# KiCad board Pravetz8A-patched.kicad_pcb (continued)
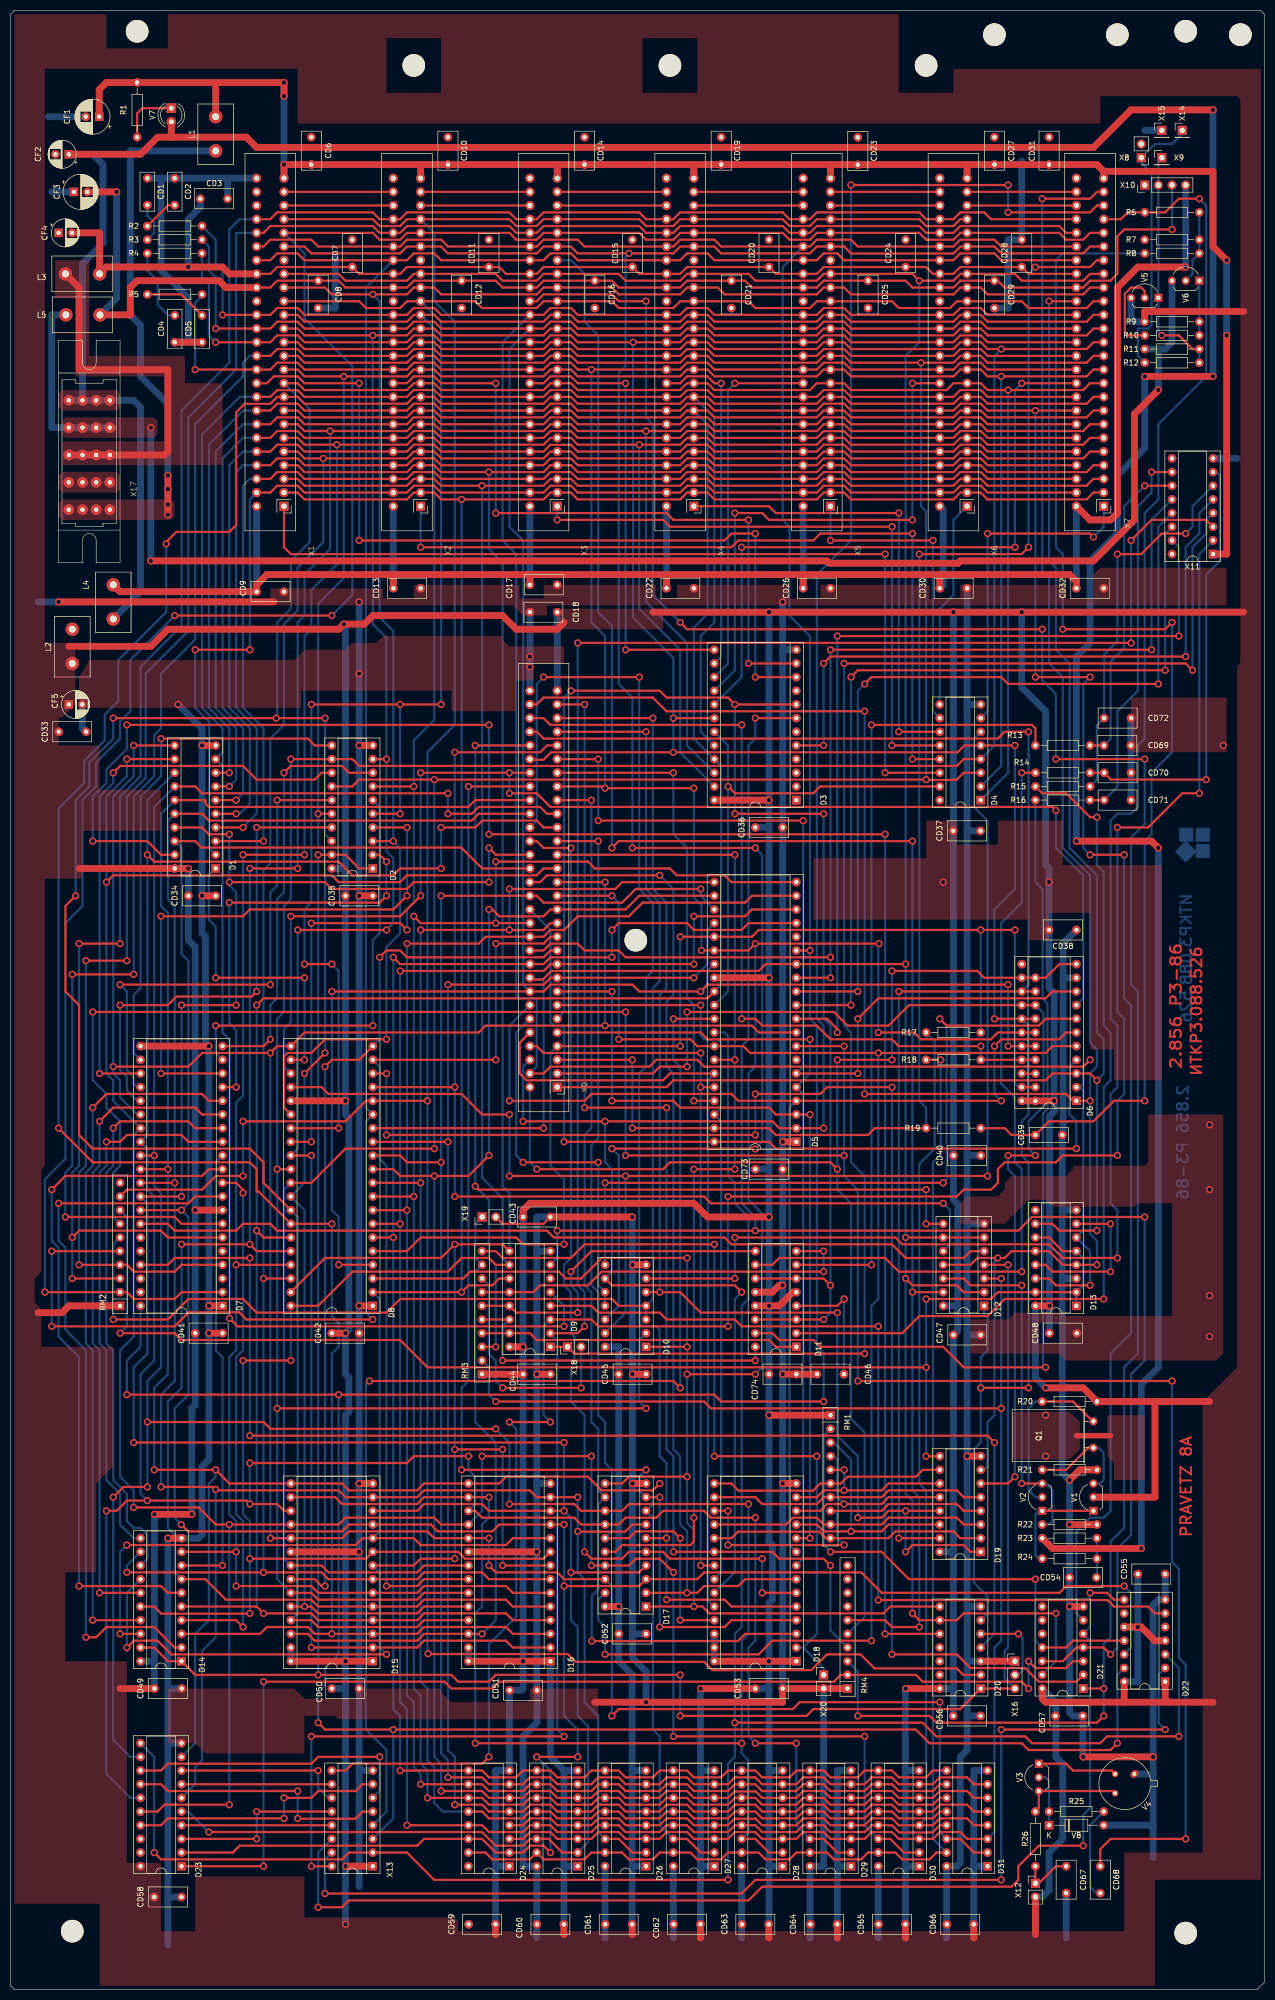
[diagram p0: board, top side]
## Routing (per net, layer and track width the routed paths; a pad name or vN(x,y) marks a point on that pad's centre or on a via; arc(x,y) is an arc through that point) (continued)
/RAM/~{RAS}: length 246.5
  Top w0.406: D24.4 95.25,30.48 96.52,31.75 100.33,31.75 101.6,30.48 107.95,30.48 109.22,31.75 113.03,31.75 114.3,30.48 120.65,30.48 121.92,31.75 125.73,31.75 127,30.48 133.35,30.48 134.55,31.68 138.36,31.68 138.43,31.75 139.7,30.48 146.05,30.48 147.32,31.75 151.13,31.75 152.4,30.48 158.75,30.48 160.02,31.75 163.83,31.75 165.1,30.48 171.45,30.48 172.72,31.75 177.8,31.75 179.07,30.48 D31.4
  Bottom w0.406: R17.2 171.77,176.21 171.77,156.21 168.91,153.35 168.91,93.98 170.18,92.71 170.18,31.75 D30.4
A0: length 480.4
  Top w0.406: D9.11 90.8,132.08 89.53,130.81 85.09,130.81 v1(83.82,129.54) D8.2 ; 24.13,66.04 v1(20.32,66.04) ; D16.10 93.34,83.82 92.08,82.55 76.2,82.55 74.93,83.82 D15.10 65.41,83.82 64.13,82.55 v1(21.59,82.55) ; X7.2 201.3,278.13 200.03,276.86 181.61,276.86 180.34,278.13 176.53,278.13 175.26,276.86 156.21,276.86 154.94,278.13 151.13,278.13 149.86,276.86 130.81,276.86 129.54,278.13 125.73,278.13 124.46,276.86 105.41,276.86 104.14,278.13 100.33,278.13 99.06,276.86 v1(83.82,276.86) 80.01,276.86 78.74,278.13 74.93,278.13 73.66,276.86 54.61,276.86 53.34,278.13 X1.2
  Bottom w0.406: D8.2 68.58,128.27 68.58,85.09 D15.10 ; v1(20.32,66.04) 20.32,81.28 v1(21.59,82.55) ; v1(83.82,276.86) v1(83.82,129.54)
A1: length 495.4
  Top w0.406: 50.8,280.67 53.34,280.67 54.61,279.4 73.66,279.4 74.93,280.67 78.74,280.67 80.01,279.4 v1(87.63,279.4) 99.06,279.4 100.33,280.67 104.14,280.67 105.41,279.4 124.46,279.4 125.73,280.67 129.54,280.67 130.81,279.4 149.86,279.4 151.13,280.67 154.94,280.67 156.21,279.4 175.26,279.4 176.53,280.67 180.34,280.67 181.61,279.4 200.03,279.4 201.3,280.67 X7.3 ; v1(44.45,69.85) 44.38,69.78 28.01,69.78 26.67,71.12 24.13,71.12 ; 52.07,127 57.15,127 63.5,133.35 81.28,133.35 83.82,135.89 88.9,135.89 90.17,134.62 D9.10 ; D16.9 99.06,80.01 84.45,80.01 83.19,81.28 D15.9 66.04,80.01 v1(44.45,80.01) ; v1(52.07,116.84) 43.18,116.84 v1(43.18,116.84)
  Bottom w0.406: v1(44.45,69.85) v1(44.45,80.01) 44.45,87 43.18,88.26 v1(43.18,116.84) ; D9.10 91.44,135.89 91.44,147 87.63,150.81 v1(87.63,279.4) ; 52.07,127 v1(52.07,116.84)
A2: length 545.3
  Top w0.406: 52.07,129.54 58.42,135.89 80.01,135.89 v1(82.55,138.43) 91.44,138.43 92.71,137.16 ; X7.4 201.3,283.21 200.03,281.94 181.61,281.94 180.34,283.21 176.53,283.21 175.26,281.94 156.21,281.94 154.94,283.21 151.13,283.21 149.86,281.94 130.81,281.94 129.54,283.21 125.73,283.21 124.46,281.94 105.41,281.94 104.14,283.21 100.33,283.21 99.06,281.94 v1(88.9,281.94) 80.01,281.94 78.74,283.21 74.93,283.21 73.66,281.94 54.61,281.94 53.34,283.21 X1.4 ; v1(91.44,100.33) v1(82.55,100.33) ; D16.8 v1(91.44,78.74) ; D15.8 74.93,78.74 76.2,80.01 v1(82.55,80.01) ; v1(69.85,62.23) 29.85,62.23 27.31,64.77 22.86,64.77 v1(21.59,63.5)
  Bottom w0.406: v1(88.9,281.94) 88.9,267.65 91.44,265.11 91.44,149.22 92.71,147.95 92.71,137.16 ; 24.13,76.2 21.59,73.66 v1(21.59,63.5) 21.59,62.86 ; v1(91.44,100.33) 91.44,78.74 v1(91.44,78.74) ; v1(82.55,138.43) v1(82.55,100.33) v1(82.55,80.01) ; D15.8 68.58,77.47 68.58,63.5 v1(69.85,62.23)
A3: length 460.8
  Top w0.406: v1(21.59,77.47) v1(46.99,77.47) 57.78,77.47 59.05,76.2 D15.7 75.56,76.2 76.83,77.47 87.63,77.47 88.9,76.2 D16.7 ; X7.5 200.66,285.75 199.39,284.48 181.61,284.48 180.34,285.75 176.53,285.75 175.26,284.48 156.21,284.48 154.94,285.75 151.13,285.75 149.86,284.48 130.81,284.48 129.54,285.75 125.73,285.75 124.46,284.48 105.41,284.48 104.14,285.75 100.33,285.75 99.06,284.48 80.01,284.48 78.74,285.75 74.93,285.75 73.66,284.48 54.61,284.48 53.34,285.75 X1.5 ; 52.07,132.08 v1(46.99,132.08)
  Bottom w0.406: v1(46.99,132.08) 46.99,207.96 48.26,209.23 48.26,232.41 50.8,234.95 50.8,253.68 53.34,256.22 53.34,264.16 58.1,268.92 v1(58.1,284.48) ; v1(46.99,132.08) v1(46.99,77.47) ; v1(46.99,132.08) 47.17,132.26 ; v1(21.59,77.47) 21.59,78.74 24.13,81.28
A4: length 535.9
  Top w0.406: v1(41.91,74.93) 55.88,74.93 57.15,73.66 D15.6 75.56,73.66 76.83,74.93 92.08,74.93 93.34,73.66 D16.6 ; v1(41.91,81.28) D14.9 ; X1.6 53.34,288.29 54.61,287.02 v1(60.64,287.02) 73.66,287.02 74.93,288.29 78.74,288.29 80.01,287.02 99.06,287.02 100.33,288.29 104.14,288.29 105.41,287.02 v1(116.84,287.02) 124.46,287.02 125.73,288.29 129.54,288.29 130.81,287.02 149.86,287.02 151.13,288.29 154.94,288.29 156.21,287.02 175.26,287.02 176.53,288.29 180.34,288.29 181.61,287.02 199.39,287.02 200.66,288.29 X7.6 ; 52.07,134.62 v1(41.91,134.62) ; v1(54.61,210.82) v1(43.18,210.82)
  Bottom w0.406: v1(41.91,74.93) v1(41.91,81.28) 41.91,87 40.64,88.26 40.64,117.47 41.91,118.75 v1(41.91,134.62) 41.91,164.78 43.18,166.05 v1(43.18,210.82) ; D3.23 124.46,229.87 124.46,248.92 116.84,256.54 v1(116.84,287.02) ; v1(60.64,287.02) 60.64,264.79 55.88,260.03 55.88,252.73 54.61,251.46 v1(54.61,210.82)
A5: length 546.9
  Top w0.406: 52.07,137.16 45.72,137.16 v1(44.45,138.43) v1(31.75,138.43) ; D14.7 36.19,76.2 40,72.39 55.88,72.39 57.15,71.12 D15.5 75.56,71.12 76.83,72.39 92.08,72.39 93.34,71.12 D16.5 ; X1.7 53.34,290.83 54.61,289.56 v1(59.37,289.56) 73.66,289.56 74.93,290.83 78.74,290.83 80.01,289.56 99.06,289.56 100.33,290.83 104.14,290.83 105.41,289.56 124.46,289.56 125.73,290.83 129.54,290.83 130.81,289.56 149.86,289.56 151.13,290.83 154.94,290.83 156.21,289.56 175.26,289.56 176.53,290.83 180.34,290.83 181.61,289.56 199.39,289.56 200.66,290.83 X7.7 ; v1(44.45,208.28) v1(53.34,208.28)
  Bottom w0.406: v1(31.75,138.43) 31.75,111.76 29.21,109.22 29.21,85.72 30.48,84.45 30.48,77.47 D14.7 ; v1(44.45,138.43) v1(44.45,208.28) ; v1(118.11,289.56) 118.11,257.81 125.73,250.19 125.73,231.14 D3.22 ; v1(53.34,208.28) 53.34,254 54.61,255.27 54.61,262.89 59.37,267.65 v1(59.37,289.56)
A6: length 548.7
  Top w0.406: D5.29 129.54,184.15 46.99,184.15 v1(45.72,182.88) ; 203.2,293.37 201.3,293.37 200.03,292.1 181.61,292.1 180.34,293.37 176.53,293.37 175.26,292.1 156.21,292.1 154.94,293.37 151.13,293.37 149.86,292.1 130.81,292.1 129.54,293.37 125.73,293.37 124.46,292.1 105.41,292.1 104.14,293.37 100.33,293.37 99.06,292.1 80.01,292.1 78.74,293.37 74.93,293.37 73.66,292.1 54.61,292.1 53.34,293.37 50.8,293.37 ; v1(45.72,140.97) 46.99,139.7 52.07,139.7 ; D16.4 93.34,68.58 92.08,69.85 76.83,69.85 75.56,68.58 D15.4 57.15,68.58 55.88,69.85 v1(46.99,69.85) 45.72,71.12 D14.5
  Bottom w0.406: 127,293.37 129.54,290.83 129.54,255.59 127,253.05 127,232.41 132.08,227.33 132.08,186.69 D5.29 ; v1(46.99,69.85) 45.72,71.12 v1(45.72,140.97) v1(45.72,182.88)
A7: length 598.2
  Top w0.406: 100.33,66.04 93.35,66.04 92.08,67.31 76.83,67.31 75.56,66.04 v1(59.69,66.04) 56.52,66.04 55.24,67.31 47.62,67.31 46.35,66.04 D14.3 ; X7.9 201.3,295.91 200.03,294.64 181.61,294.64 180.34,295.91 176.53,295.91 175.26,294.64 156.21,294.64 154.94,295.91 151.13,295.91 149.86,294.64 130.81,294.64 129.54,295.91 125.73,295.91 124.46,294.64 105.41,294.64 104.14,295.91 100.33,295.91 99.06,294.64 80.01,294.64 78.74,295.91 74.93,295.91 73.66,294.64 54.61,294.64 53.34,295.91 X1.9 49.53,295.91 48.24,294.62 43.48,294.62 41.91,293.05 41.91,272.1 40.64,270.83 30.8,270.83 28.89,268.92 v1(28.89,268.6) ; v1(59.69,142.24) 52.07,142.24 46.04,148.27 45.72,148.27 45.72,152.4 44.45,153.67 15.24,153.67 v1(8.89,160.02)
  Bottom w0.406: D3.20 128.27,233.68 128.27,251.46 130.81,254 130.81,292.1 X4.9 ; v1(8.89,160.02) 8.89,219.39 13.65,224.15 13.65,228.28 17.46,232.09 17.46,236.85 20,239.39 20,247.01 28.89,255.9 v1(28.89,268.6) ; v1(59.69,66.04) 59.69,118.11 60.96,119.38 60.96,123.82 59.69,125.09 v1(59.69,142.24)
A8: length 607.5
  Top w0.406: 52.07,144.78 46.99,149.86 46.99,153.67 44.45,156.21 15.24,156.21 12.7,158.75 12.7,182.88 10.16,185.42 10.16,201.29 v1(12.07,203.2) ; 52.07,68.58 55.88,68.58 57.15,67.31 75.56,67.31 76.83,68.58 D16.25 ; X1.10 53.34,298.45 54.61,297.18 73.66,297.18 74.93,298.45 78.74,298.45 80.01,297.18 99.06,297.18 100.33,298.45 104.14,298.45 105.41,297.18 124.46,297.18 125.73,298.45 129.54,298.45 130.81,297.18 148.59,297.18 149.86,298.45 154.94,298.45 156.21,297.18 173.99,297.18 175.26,298.45 X6.10 180.34,298.45 181.61,297.18 v1(185.42,297.18) 199.39,297.18 200.66,298.45 X7.10 ; v1(19.05,236.22) v1(49.35,236.22) v1(58.42,236.22)
  Bottom w0.406: v1(58.42,236.22) 58.42,214.63 D2.18 ; 52.07,144.78 53.34,143.51 53.34,69.85 52.07,68.58 ; X1.10 55.56,293.69 55.56,268.92 52.07,265.43 52.07,256.54 49.53,254 49.53,236.4 v1(49.35,236.22) ; v1(185.42,297.18) 185.42,226.06 D4.1 ; v1(19.05,236.22) 19.05,232.41 14.61,227.96 14.61,223.52 12.07,220.98 v1(12.07,203.2)
A9: length 507.9
  Top w0.406: X7.11 201.3,300.99 200.03,299.72 181.61,299.72 180.34,300.99 176.53,300.99 175.26,299.72 156.21,299.72 154.94,300.99 151.13,300.99 149.86,299.72 130.81,299.72 129.54,300.99 125.73,300.99 124.46,299.72 105.41,299.72 104.14,300.99 100.33,300.99 99.06,299.72 80.01,299.72 78.74,300.99 74.93,300.99 73.66,299.72 v1(61.91,299.72) 54.61,299.72 53.34,300.99 X1.11 ; D2.16 v1(57.15,218.44) ; 52.07,71.12 v1(54.61,71.12) 55.88,71.12 57.15,69.85 75.56,69.85 76.83,71.12 D16.24 ; v1(58.42,173.99) v1(54.61,170.18)
  Bottom w0.406: v1(54.61,71.12) 54.61,144.78 52.07,147.32 54.61,149.86 v1(54.61,170.18) ; v1(61.91,299.72) 61.91,262.25 57.15,257.49 v1(57.15,218.44) 57.15,212.72 58.42,211.45 v1(58.42,173.99) ; v1(184.15,299.72) 184.15,227.33 D4.2
A10: length 562.5
  Top w0.406: 52.07,78.74 57.78,78.74 59.05,77.47 75.56,77.47 76.83,78.74 D16.21 ; D2.14 63.5,223.52 64.77,224.79 v1(78.74,224.79) v1(170.18,224.79) 170.25,224.72 175.19,224.72 175.26,224.79 175.9,224.79 177.17,226.06 180.34,226.06 ; X7.12 201.3,303.53 200.03,302.26 181.61,302.26 180.34,303.53 176.53,303.53 175.26,302.26 v1(169.23,302.26) 156.21,302.26 154.94,303.53 151.13,303.53 149.86,302.26 130.81,302.26 129.54,303.53 125.73,303.53 124.46,302.26 105.41,302.26 104.14,303.53 100.33,303.53 99.06,302.26 80.01,302.26 78.74,303.53 74.93,303.53 73.66,302.26 54.61,302.26 53.34,303.53 50.8,303.53 ; v1(78.74,156.21) 62.23,156.21 55.88,149.86 52.07,149.86
  Bottom w0.406: v1(169.23,302.26) 169.23,275.59 170.18,274.64 v1(170.18,224.79) ; 52.07,78.74 50.8,80.01 50.8,148.59 52.07,149.86 ; v1(78.74,224.79) v1(78.74,156.21)
A11: length 643.1
  Top w0.406: D4.4 177.17,228.6 175.9,227.33 64.77,227.33 63.5,228.6 D2.12 ; 59.69,228.6 v1(52.07,228.6) ; 52.07,73.66 55.88,73.66 57.15,72.39 75.56,72.39 76.83,73.66 D16.23 ; X7.13 201.3,306.07 200.03,304.8 v1(184.15,304.8) 181.61,304.8 180.34,306.07 176.53,306.07 175.26,304.8 156.21,304.8 154.94,306.07 151.13,306.07 149.86,304.8 130.81,304.8 129.54,306.07 125.73,306.07 124.46,304.8 105.41,304.8 104.14,306.07 100.33,306.07 99.06,304.8 80.01,304.8 78.74,306.07 74.93,306.07 73.66,304.8 54.61,304.8 53.34,306.07 X1.13 ; v1(118.11,107.95) v1(49.53,107.95) ; 52.07,152.4 v1(49.53,152.4)
  Bottom w0.406: v1(52.07,228.6) 52.07,202.56 50.8,201.29 50.8,181.61 49.53,180.34 v1(49.53,152.4) v1(49.53,107.95) 49.53,76.2 52.07,73.66 ; v1(184.15,304.8) 182.88,303.53 182.88,231.14 D4.4 ; D10.2 116.84,120.65 116.84,109.22 v1(118.11,107.95)
A12: length 474.8
  Top w0.406: D16.2 93.34,63.5 92.08,64.77 76.83,64.77 75.56,63.5 D15.2 67.94,63.5 v1(55.88,63.5) ; X7.14 201.3,308.61 200.03,307.34 181.61,307.34 180.34,308.61 176.53,308.61 175.26,307.34 156.21,307.34 154.94,308.61 151.13,308.61 149.86,307.34 130.81,307.34 129.54,308.61 125.73,308.61 124.46,307.34 105.41,307.34 104.14,308.61 100.33,308.61 99.06,307.34 80.01,307.34 78.74,308.61 74.93,308.61 73.66,307.34 v1(67.31,307.34) 54.61,307.34 53.34,308.61 X1.14 ; v1(69.85,196.85) v1(53.34,196.85) ; D2.9 v1(69.85,228.6) ; 52.07,154.94 v1(55.88,154.94)
  Bottom w0.406: v1(55.88,63.5) v1(55.88,154.94) ; v1(69.85,196.85) 71.12,198.12 71.12,210.18 69.85,211.45 v1(69.85,228.6) 69.85,251.14 67.31,253.68 v1(67.31,307.34) ; 52.07,154.94 53.34,156.21 v1(53.34,196.85)
A13: length 346.5
  Top w0.406: v1(55.88,198.12) 72.39,198.12 v1(73.66,196.85) ; 52.07,157.48 v1(55.88,157.48) ; D2.7 v1(74.93,223.52) ; X7.15 201.3,311.15 200.03,309.88 181.61,309.88 180.34,311.15 176.53,311.15 175.26,309.88 156.21,309.88 154.94,311.15 151.13,311.15 149.86,309.88 130.81,309.88 129.54,311.15 125.73,311.15 124.46,309.88 105.41,309.88 104.14,311.15 100.33,311.15 99.06,309.88 80.01,309.88 78.74,311.15 74.93,311.15 73.66,309.88 54.61,309.88 53.34,311.15 X1.15
  Bottom w0.406: v1(73.66,196.85) 73.66,200.66 74.93,201.93 v1(74.93,223.52) 74.93,232.09 78.74,235.9 78.74,308.61 76.2,311.15 ; v1(55.88,198.12) v1(55.88,157.48)
A14: length 378.5
  Top w0.406: X1.16 64.77,313.69 66.04,312.42 72.39,312.42 73.66,313.69 86.36,313.69 87.63,312.42 97.79,312.42 99.06,313.69 111.76,313.69 113.03,312.42 123.19,312.42 124.46,313.69 137.16,313.69 138.43,312.42 148.59,312.42 149.86,313.69 163.83,313.69 165.1,312.42 174.62,312.42 175.9,313.69 187.96,313.69 189.23,312.42 200.03,312.42 201.3,313.69 X7.16 ; 52.07,160.02 v1(60.96,160.02) ; v1(59.69,190.5) v1(54.61,190.5) ; D2.5 v1(72.39,218.44) ; v1(80.01,238.76) v1(72.39,238.76) v1(55.88,238.76)
  Bottom w0.406: v1(54.61,190.5) 54.61,200.66 55.88,201.93 v1(55.88,238.76) ; v1(80.01,238.76) 80.01,309.88 76.2,313.69 ; v1(59.69,190.5) 60.96,189.23 v1(60.96,160.02) ; v1(72.39,238.76) v1(72.39,218.44)
A15: length 335.8
  Top w0.406: v1(69.85,176.53) 58.42,176.53 55.88,173.99 51.44,173.99 50.8,173.35 50.8,163.83 52.07,162.56 ; D2.3 v1(71.12,213.36) ; X1.17 58.42,316.23 59.69,314.96 v1(67.31,314.96) 73.66,314.96 74.93,316.23 78.74,316.23 80.01,314.96 97.79,314.96 99.06,316.23 111.76,316.23 113.03,314.96 124.46,314.96 125.73,316.23 131.45,316.23 132.72,314.96 149.86,314.96 151.13,316.23 154.94,316.23 156.21,314.96 175.26,314.96 176.53,316.23 180.34,316.23 181.61,314.96 199.39,314.96 200.66,316.23 X7.17
  Bottom w0.406: v1(69.85,176.53) 69.85,193.67 72.39,196.21 72.39,212.09 v1(71.12,213.36) 71.12,252.41 68.58,254.95 68.58,313.69 v1(67.31,314.96)
AKD: length 220.5
  Top w0.406: v1(66.68,113.03) 123.19,113.03 v1(124.46,111.76) ; v1(123.19,180.34) D5.31
  Bottom w0.406: v1(124.46,111.76) 124.46,171.45 123.19,172.72 v1(123.19,180.34) ; X13.4 69.85,33.02 69.85,44.45 66.04,48.26 66.04,112.39 v1(66.67,113.03)
AN0: length 164.5
  Top w0.406: v1(217.17,251.46) v1(153.67,251.46) ; v1(153.67,177.8) 153.67,178.43 151.77,180.34 D5.10
  Bottom w0.406: v1(217.17,251.46) 217.17,267.97 X11.15 ; v1(153.67,251.46) v1(153.67,177.8)
AN1: length 157.3
  Top w0.406: v1(156.21,243.84) 157.48,245.11 v1(214.63,245.11) ; v1(156.21,182.88) D5.11
  Bottom w0.406: v1(214.63,245.11) 214.63,270.51 X11.14 ; v1(156.21,243.84) v1(156.21,182.88)
AN2: length 157.6
  Top w0.406: v1(158.75,242.57) 160.02,243.84 184.15,243.84 185.42,242.57 v1(213.36,242.57) ; v1(157.48,185.42) D5.12
  Bottom w0.406: v1(158.75,242.57) 157.48,241.3 v1(157.48,185.42) ; X11.13 213.36,271.78 v1(213.36,242.57)
AN3: length 214
  Top w0.406: v1(212.09,248.92) v1(152.4,248.92) ; X0.50 99.06,193.04 100.33,194.31 105.41,194.31 106.68,193.04 113.03,193.04 114.3,191.77 v1(152.4,191.77) ; v1(152.4,187.96) D5.13
  Bottom w0.406: v1(152.4,187.96) v1(152.4,191.77) v1(152.4,248.92) ; v1(212.09,248.92) 212.09,273.05 X11.12
D0: length 238.3
  Top w0.406: X7.49 181.61,278.13 180.34,279.4 176.53,279.4 175.26,278.13 156.21,278.13 154.94,279.4 151.13,279.4 149.86,278.13 130.81,278.13 129.54,279.4 125.73,279.4 124.46,278.13 105.41,278.13 104.14,279.4 100.33,279.4 99.06,278.13 80.01,278.13 78.74,279.4 74.93,279.4 73.66,278.13 54.61,278.13 53.34,279.4 49.53,279.4 48.26,278.13 X1.49 ; v1(34.29,248.92) v1(44.45,248.92)
  Bottom w0.406: v1(34.29,248.92) 34.29,238.12 36.9,235.52 36.9,212.02 D1.2 ; v1(44.45,248.92) 44.45,276.86 X1.49
D1: length 238.3
  Top w0.406: v1(46.99,213.36) D1.3 ; X1.48 48.26,280.67 49.53,281.94 53.34,281.94 54.61,280.67 73.66,280.67 74.93,281.94 78.74,281.94 80.01,280.67 99.06,280.67 100.33,281.94 104.14,281.94 105.41,280.67 124.46,280.67 125.73,281.94 129.54,281.94 130.81,280.67 149.86,280.67 151.13,281.94 154.94,281.94 156.21,280.67 175.26,280.67 176.53,281.94 180.34,281.94 181.61,280.67 X7.48
  Bottom w0.406: v1(46.99,213.36) 46.99,234.31 43.18,238.12 43.18,279.4 44.45,280.67 X1.48
D2: length 236.8
  Top w0.406: D1.4 v1(43.18,215.9) ; X7.47 181.61,283.21 180.34,284.48 176.53,284.48 175.26,283.21 156.21,283.21 154.94,284.48 151.13,284.48 149.86,283.21 130.81,283.21 129.54,284.48 125.73,284.48 124.46,283.21 105.41,283.21 104.14,284.48 100.33,284.48 99.06,283.21 80.01,283.21 78.74,284.48 74.93,284.48 73.66,283.21 54.61,283.21 53.34,284.48 49.53,284.48 48.26,283.21 X1.47
  Bottom w0.406: X1.47 43.18,283.21 41.91,281.94 41.91,238.12 45.72,234.31 45.72,218.44 v1(43.18,215.9)
D3: length 236.4
  Top w0.406: X1.46 48.26,285.75 49.53,287.02 53.34,287.02 54.61,285.75 73.66,285.75 74.93,287.02 78.74,287.02 80.01,285.75 99.06,285.75 100.33,287.02 100.35,287 104.12,287 104.14,287.02 105.41,285.75 124.46,285.75 125.73,287.02 129.54,287.02 130.81,285.75 149.86,285.75 151.13,287.02 154.94,287.02 156.21,285.75 175.26,285.75 176.53,287.02 180.34,287.02 181.61,285.75 X7.46 ; D1.5 v1(41.91,218.44)
  Bottom w0.406: X1.46 43.18,285.75 40.64,283.21 40.64,238.12 44.45,234.31 44.45,220.34 42.55,218.44 v1(41.91,218.44)
D4: length 236.1
  Top w0.406: 38.1,220.98 v1(41.91,220.98) ; X1.45 48.26,288.29 49.53,289.56 53.34,289.56 54.61,288.29 73.66,288.29 74.93,289.56 78.74,289.56 80.01,288.29 99.06,288.29 100.33,289.56 104.14,289.56 105.41,288.29 124.46,288.29 125.73,289.56 129.54,289.56 130.81,288.29 149.86,288.29 151.13,289.56 151.15,289.54 154.92,289.54 154.94,289.56 156.21,288.29 175.26,288.29 176.53,289.56 180.34,289.56 181.61,288.29 X7.45
  Bottom w0.406: v1(41.91,220.98) 43.18,222.25 43.18,234.31 39.37,238.12 39.37,284.48 43.18,288.29 X1.45
D5: length 235.3
  Top w0.406: X1.44 48.26,290.83 49.53,292.1 53.34,292.1 54.61,290.83 73.66,290.83 74.93,292.1 78.74,292.1 80.01,290.83 99.06,290.83 100.33,292.1 104.14,292.1 105.41,290.83 124.46,290.83 125.73,292.1 129.54,292.1 130.81,290.83 149.86,290.83 151.13,292.1 154.94,292.1 156.21,290.83 175.26,290.83 176.53,292.1 180.34,292.1 181.61,290.83 X7.44 ; D1.7 v1(40.64,223.52)
  Bottom w0.406: X1.44 43.18,290.83 38.1,285.75 38.1,238.12 41.91,234.31 41.91,224.79 v1(40.64,223.52)
D6: length 484.4
  Top w0.406: v1(40.64,226.06) D1.8 ; v1(200.66,243.84) v1(190.5,243.84) ; v1(207.01,210.82) v1(200.66,210.82) ; X1.43 48.26,293.37 49.53,294.64 53.34,294.64 54.61,293.37 73.66,293.37 74.93,294.64 78.74,294.64 80.01,293.37 99.06,293.37 100.33,294.64 104.14,294.64 105.41,293.37 124.46,293.37 125.73,294.64 129.54,294.64 130.81,293.37 149.86,293.37 151.13,294.64 154.94,294.64 156.21,293.37 175.26,293.37 176.53,294.64 180.34,294.64 181.61,293.37 v1(190.5,293.37) X7.43
  Bottom w0.406: v1(190.5,243.84) v1(190.5,293.37) ; v1(40.64,226.06) 40.64,234.31 36.83,238.12 36.83,287.02 43.18,293.37 X1.43 ; D21.6 198.12,69.85 198.12,85.09 200.66,87.63 203.2,87.63 204.47,88.9 204.47,118.11 208.28,121.92 208.28,182.88 207.01,184.15 v1(207.01,210.82) ; v1(200.66,243.84) 199.39,242.57 199.39,212.09 v1(200.66,210.82)
D7: length 409.4
  Top w0.406: X7.42 181.61,295.91 180.34,297.18 176.53,297.18 175.26,295.91 156.21,295.91 154.94,297.18 151.13,297.18 149.86,295.91 130.81,295.91 129.54,297.18 125.73,297.18 124.46,295.91 105.41,295.91 104.14,297.18 100.33,297.18 99.06,295.91 80.01,295.91 78.74,297.18 74.93,297.18 73.66,295.91 54.61,295.91 53.34,297.18 53.32,297.16 49.55,297.16 49.53,297.18 48.26,295.91 X1.42 ; v1(102.87,123.19) 42.16,123.19 v1(40.68,124.67)
  Bottom w0.406: v1(102.87,123.19) 102.87,127 D9.5 ; v1(40.68,124.67) 40.68,176.49 39.37,177.8 39.37,227.33 D1.9 39.37,229.87 39.37,234.31 35.56,238.12 35.56,288.92 42.54,295.91 X1.42
F0: length 700
  Top w0.406: v1(125.73,114.3) v1(138.43,114.3) ; X7.40 181.61,300.99 180.34,302.26 176.53,302.26 175.26,300.99 156.21,300.99 154.94,302.26 151.13,302.26 149.86,300.99 130.81,300.99 129.54,302.26 125.73,302.26 124.46,300.99 v1(107.95,300.99) 105.41,300.99 104.14,302.26 100.33,302.26 99.06,300.99 80.01,300.99 78.74,302.26 74.93,302.26 73.66,300.99 54.61,300.99 53.34,302.26 49.53,302.26 48.26,300.99 X1.40 v1(34.29,300.99) ; v1(161.43,194.31) 161.43,194.31 v1(138.43,194.31) 137.16,193.04 v1(128.41,193.04) ; v1(127,223.2) v1(110.49,223.2) 110.17,223.52 X0.23 ; v1(125.73,135.89) 109.86,135.89 106.05,132.08 103.19,132.08 101.92,133.35 85.41,133.35 84.14,132.08 67.31,132.08 ; D10.1 v1(125.73,119.38) ; D17.11 113.67,93.98 114.93,95.25 v1(125.73,95.25) ; D17.1 v1(127,71.12) 128.59,71.12 129.86,69.85 162.24,69.85 163.51,71.12 D20.8 ; v1(161.29,177.8) 167.96,177.8 169.23,176.53 182.25,176.53 183.52,177.8 NOREF#8.15
  Bottom w0.406: v1(34.29,300.99) 34.29,313.37 35.56,314.64 ; v1(125.73,135.89) v1(125.73,114.3) v1(125.73,95.25) 125.73,86.68 127,85.41 v1(127,71.12) ; v1(138.43,194.31) 138.43,171.45 137.16,170.18 137.16,146.68 139.7,144.14 139.7,115.57 v1(138.43,114.3) ; v1(127,223.2) 127,202.88 128.41,201.47 v1(128.41,193.04) ; v1(161.43,194.31) 161.29,194.17 v1(161.29,177.8) ; v1(107.95,300.99) 107.95,254 110.49,251.46 v1(110.49,223.2)
F1: length 561.1
  Top w0.406: v1(38.1,306.07) X1.38 48.26,306.07 49.53,307.34 53.34,307.34 54.61,306.07 73.66,306.07 74.93,307.34 78.74,307.34 80.01,306.07 99.06,306.07 100.33,307.34 104.14,307.34 105.41,306.07 v1(115.7,306.07) 124.46,306.07 125.73,307.34 129.54,307.34 130.81,306.07 149.86,306.07 151.13,307.34 154.94,307.34 156.21,306.07 175.26,306.07 176.53,307.34 180.34,307.34 181.61,306.07 X7.38 ; 96.9,228.47 99.06,228.47 100.46,229.87 123.32,229.87 ; v1(123.19,236.22) D3.18 ; v1(180.34,111.76) v1(189.23,111.76) ; v1(186.69,231.14) 177.29,231.14 176.02,229.87 v1(123.19,229.87) ; v1(182.88,180.34) D6.16 NOREF#10.16
  Bottom w0.406: v1(123.19,229.87) 123.19,236.09 ; 115.7,305.69 115.7,254.89 123.19,247.4 v1(123.19,236.22) ; v1(186.69,231.14) 186.69,204.47 182.88,200.66 v1(182.88,180.34) ; 35.56,321.94 35.56,318.13 36.83,316.87 36.83,307.34 v1(38.1,306.07) ; D20.6 181.61,69.85 181.61,73.02 179.07,75.56 179.07,100.33 180.34,101.6 v1(180.34,111.76) 180.34,117.47 181.61,118.75 181.61,124.87 180.98,125.5 D12.1 ; v1(189.23,111.76) 189.23,153.67 187.96,154.94 187.96,161.29 189.23,162.56 189.23,179.07 D6.16
GR: length 414.1
  Top w0.406: v1(185.42,335.28) v1(156.21,335.28) ; v1(135.89,129.54) 134.62,130.81 111.76,130.81 D10.9 ; v1(151.13,160.02) D5.2 142.88,160.02 141.61,161.29 v1(110.49,161.29) v1(95.25,161.29) ; v1(185.42,330.2) 200.66,330.2 201.93,331.47 X7.23
  Bottom w0.406: X0.58 95.25,171.45 v1(95.25,161.29) ; v1(156.21,335.28) 156.21,269.24 149.86,262.89 149.86,180.34 151.13,179.07 v1(151.13,160.02) ; D18.23 134.62,77.47 134.62,128.27 v1(135.89,129.54) ; v1(185.42,330.2) v1(185.42,335.28) ; v1(110.49,161.29) 110.49,153.67 111.76,152.4 111.76,133.35 D10.9
H0: length 159.9
  Top w0.406: v1(198.12,156.21) 142.24,156.21 140.97,157.48 D5.40 v1(102.87,157.48)
  Bottom w0.406: v1(102.87,157.48) 102.87,178.43 102.23,179.07 100.96,179.07 100.33,179.7 100.33,196.85 X0.47 ; v1(198.12,156.21) 198.12,161.29 196.85,162.56 196.85,171.45 D6.4
KSTRB: length 395
  Top w0.406: v1(133.35,20.32) 78.74,20.32 73.66,25.4 X13.2 62.86,25.4 61.59,24.13 27.94,24.13 v1(26.67,25.4) ; v1(134.62,49.53) 169.55,49.53 172.09,46.99 188.59,46.99 189.87,45.72 202.56,45.72 203.84,46.99 v1(217.17,46.99)
  Bottom w0.406: 24.13,45.72 26.67,43.18 v1(26.67,25.4) ; v1(217.17,46.99) 217.17,59.69 D22.3 ; D5.32 132.72,177.8 133.35,177.16 133.35,151.13 134.62,149.86 134.62,146.05 137.16,143.51 137.16,128.27 135.89,127 135.89,67.31 134.62,66.04 v1(134.62,49.53) 134.62,43.18 133.35,41.91 v1(133.35,20.32)
MD0: length 543.2
  Top w0.406: v1(102.87,86.36) D16.11 90.8,86.36 89.53,85.09 79.38,85.09 78.11,86.36 D15.11 62.86,86.36 61.59,85.09 32.96,85.09 v1(31.69,86.36) ; 92.71,25.4 90.17,25.4 87.63,27.94 76.83,27.94 75.56,26.67 42.55,26.67 41.27,25.4 D23.2 ; D7.33 v1(31.75,144.78) ; X0.44 87.63,208.28 83.75,212.16 35.49,212.16 34.29,213.36 D1.18 ; v1(102.87,74.93) 116.84,74.93 D17.3 127.64,76.2 128.91,77.47 158.12,77.47 161.93,73.66 194.95,73.66 196.22,74.93 v1(207.01,74.93) ; v1(100.33,25.4) 99.06,26.67 96.52,26.67 95.25,25.4 D24.2 ; v1(97.79,43.18) v1(105.41,43.18)
  Bottom w0.406: v1(207.01,74.93) 208.28,73.66 208.28,63.5 D22.12 ; v1(105.41,43.18) 105.41,48.26 102.87,50.8 v1(102.87,86.36) ; v1(97.79,43.18) 100.33,40.64 v1(100.33,25.4) ; D1.18 31.75,212.09 31.75,192.4 33.02,191.13 33.02,146.05 v1(31.75,144.78) 33.02,143.51 33.02,110.49 30.48,107.95 30.48,87.57 v1(31.69,86.36)
MD1: length 495.2
  Top w0.406: v1(40.64,214.63) 36.83,214.63 35.56,215.9 D1.17 ; v1(104.14,77.47) 116.84,77.47 D17.4 ; v1(102.87,101.6) v1(22.86,101.6) ; v1(36.83,29.21) 87.63,29.21 90.17,26.67 95.25,26.67 96.52,27.94 100.01,27.94 102.55,25.4 D25.2 ; v1(41.91,182.88) v1(31.75,182.88) ; v1(40.64,205.74) 58.42,205.74 59.69,204.47 73.66,204.47 74.93,205.74 v1(88.9,205.74) ; D7.32 v1(31.75,147.32) ; v1(102.87,88.9) 100.33,88.9 88.9,88.9 87.63,90.17 76.83,90.17 75.56,88.9 67.31,88.9 ; v1(88.9,212.09) 90.17,210.82 X0.43
  Bottom w0.406: v1(40.64,214.63) v1(40.64,205.74) 40.64,205.1 41.91,203.83 v1(41.91,182.88) ; D7.32 25.4,146.05 25.4,118.11 22.86,115.57 v1(22.86,101.6) ; v1(102.87,101.6) v1(102.87,88.9) 104.14,87.63 v1(104.14,77.47) 104.14,68.58 105.41,67.31 105.41,50.8 107.31,48.89 107.31,27.3 D25.2 ; v1(31.75,182.88) v1(31.75,147.32) ; D23.5 33.02,33.02 v1(36.83,29.21) ; v1(88.9,205.74) v1(88.9,212.09)